# Altium PCB OctopusPB_r0102.PcbDoc (part 9 of 10) (continued)
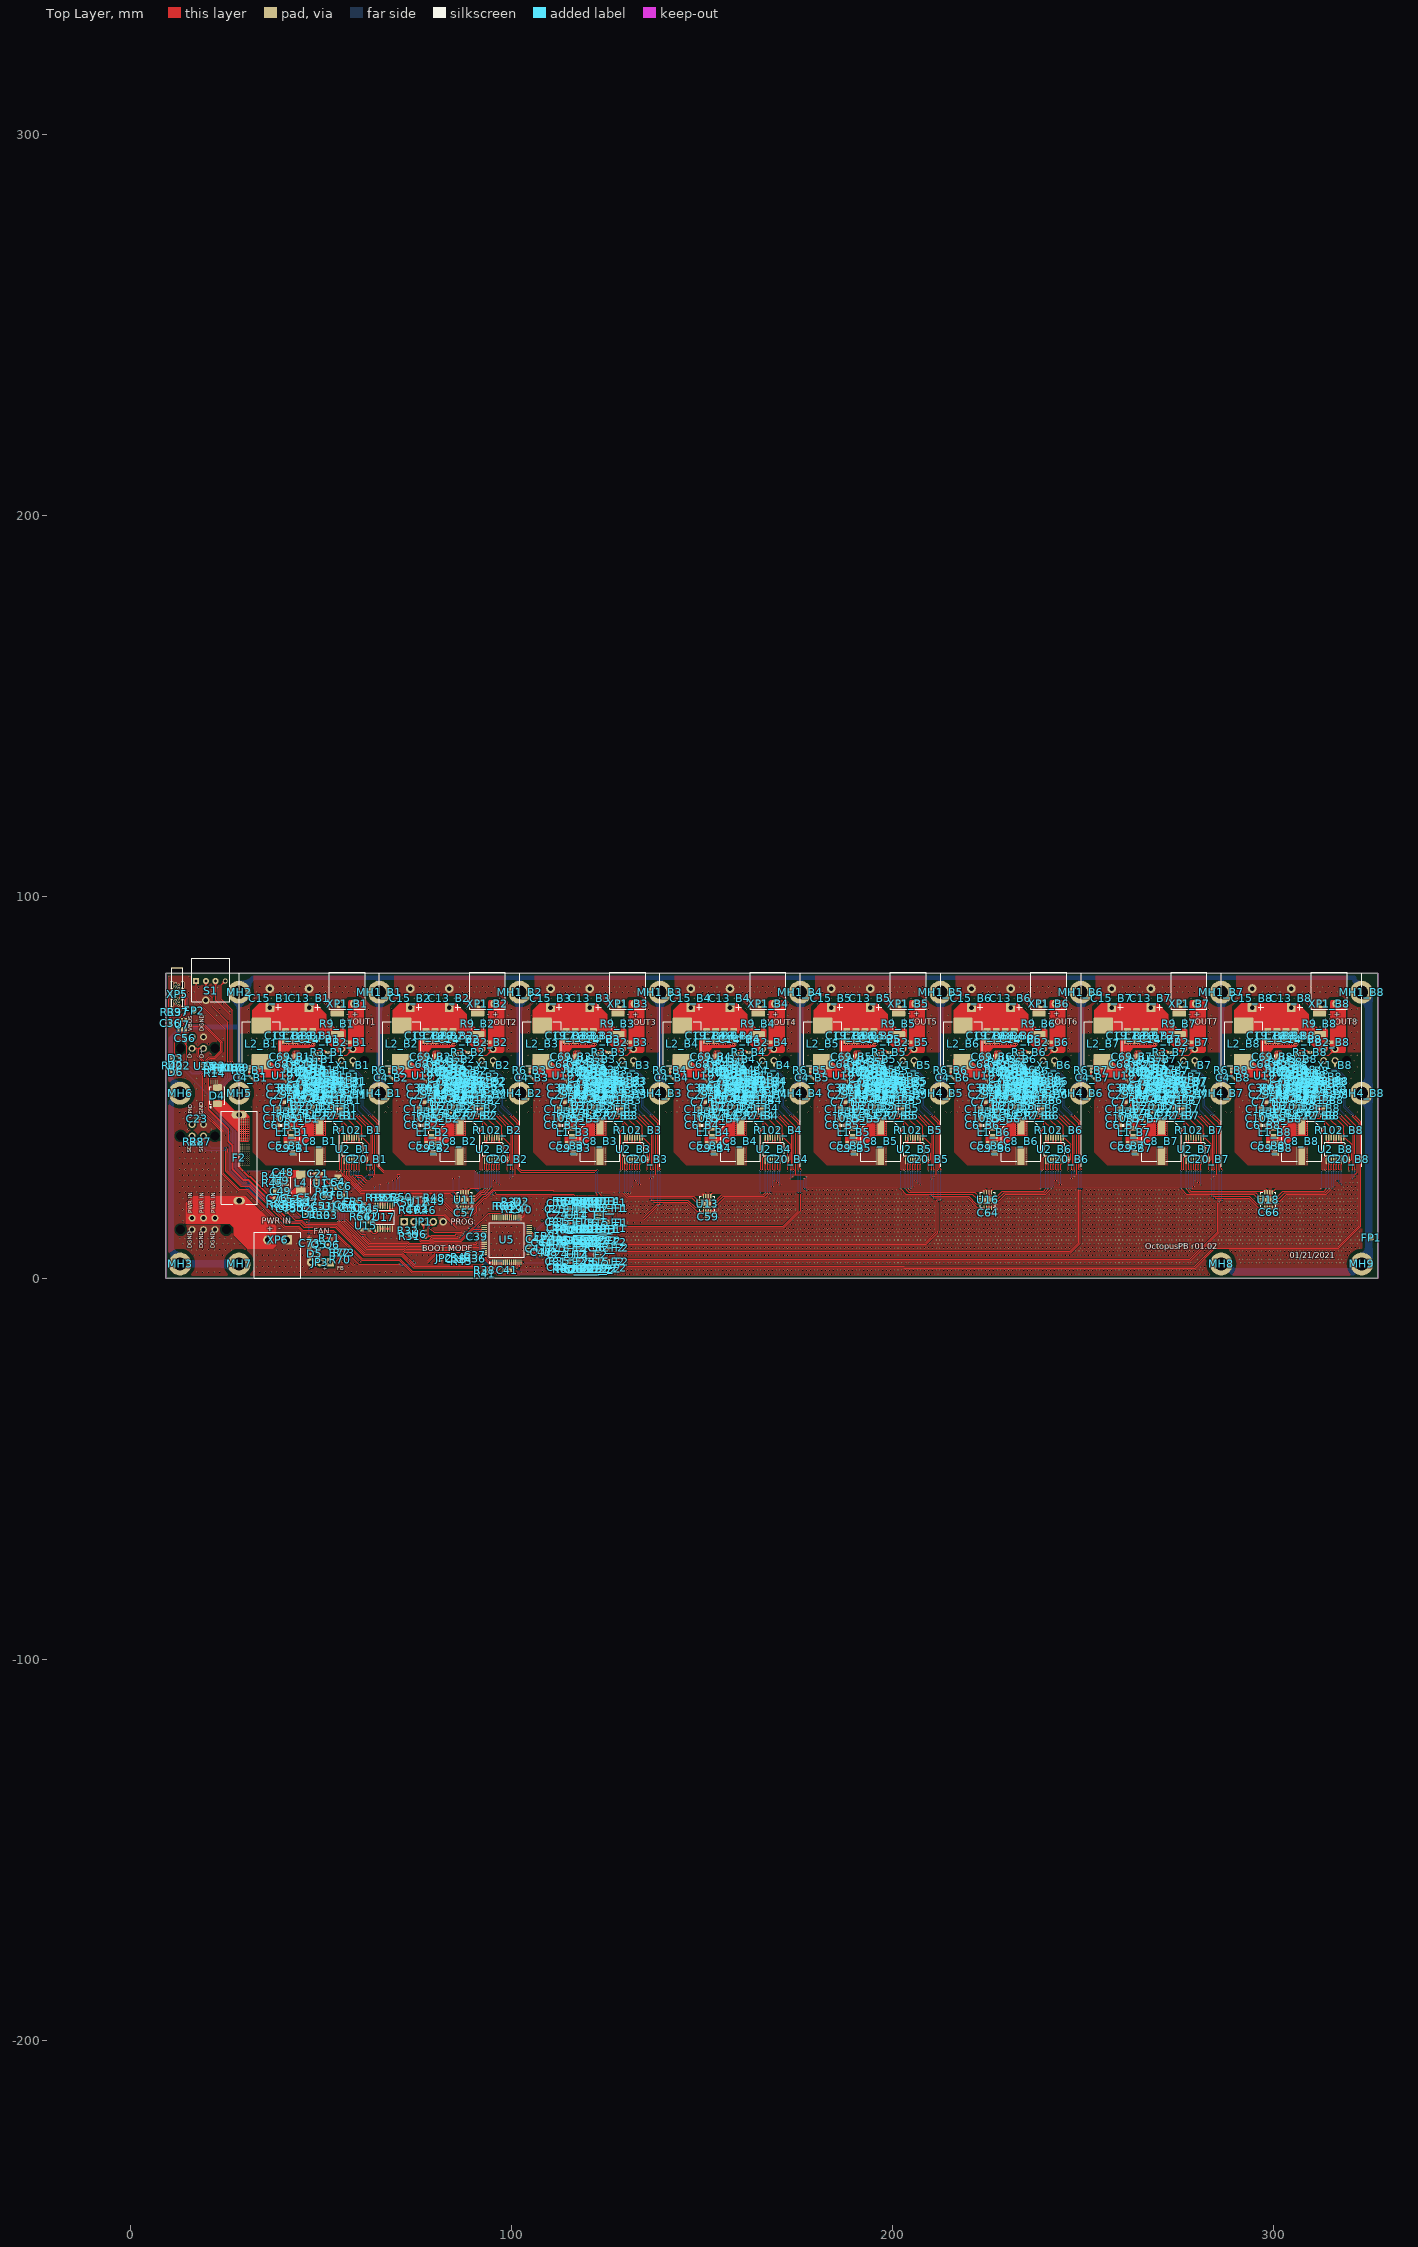
[diagram p0: Top Layer view]
## Nets (pads, with @x,y where several pads share a name; then routed paths per layer and width w, separated by ;. In a path a pad name is that pad's centre, name@x,y a point inside that pad or via, vN(x,y) a via of type N, cw(c..) or ccw(c..) an arc to the next point about the centre after c; other vN are vias at no path point) (continued)
  Bottom Layer w0.2: v1(105.83,11.326) 105.862,11.326 111.862,17.325 122.235,17.325 v1(125.325,20.415)
VOUT_CH3: C81_F1.2 C86_F1.1 R35_F1.1 U5.19 U14_F1.7 | length 19.1
  Top Layer w0.2: U5.19@104.616,7.259 104.635,7.24 105.517,7.24 106.102,6.655 106.355,6.655 106.455,6.555 v1(106.509,6.555) ; v1(114.175,12.575) 114.18,12.58 114.18,14.22 C81_F1.2@114.175,14.225 114.193,14.242 115.133,14.242 R35_F1.1@115.15,14.26 115.305,14.415 116.75,14.415 U14_F1.7@116.825,14.49
  Bottom Layer w0.2: v1(106.509,6.555) 106.509,8.436 106.425,8.521 106.425,10.348 108.652,12.575 v1(114.175,12.575)
VOUT_CH4: C67_F1.2 C79_F1.1 R15_F1.1 U5.18 U14_F1.8 | length 30.8
  Top Layer w0.2: U5.18@104.616,6.759 104.635,6.74 105.451,6.74 106.025,6.166 v1(106.025,6.15) ; U14_F1.8@122.725,14.49 123.4,14.49 123.765,14.125 C67_F1.2@124.425,14.125 124.435,14.115 125.39,14.115 125.395,14.11 125.395,13.095 C79_F1.1@125.39,13.09 125.425,13.055 125.425,12.525 v1(125.4,12.5)
  Bottom Layer w0.2: v1(106.025,6.15) 106.063,6.112 106.245,6.112 106.302,6.055 106.716,6.055 107.009,6.348 107.009,8.502 106.825,8.686 106.825,10.182 108.118,11.476 124.438,11.476 125.231,12.269 125.231,12.277 125.4,12.446 v1(125.4,12.5)
VOUT_CH5: C82_F2.2 C87_F2.1 R56_F2.1 U5.17 U14_F2.14 | length 28.3
  Top Layer w0.2: U5.17@104.616,6.259 105.209,6.259 105.88,5.588 105.962,5.588 v1(106,5.55) ; U14_F2.14@122.775,8.04 124.1,8.04 124.435,8.375 R56_F2.1@124.475,8.375 124.478,8.378 125.448,8.378 C82_F2.2@125.45,8.38 125.415,8.415 C87_F2.1@125.415,9.415 125.415,10.025 v1(125.375,10.065)
  Bottom Layer w0.2: v1(106,5.55) 108.875,5.55 114.376,11.051 124.389,11.051 v1(125.375,10.065)
VOUT_CH6: C25_F2.2 C78_F2.1 R18_F2.1 U5.16 U14_F2.1 | length 18.6
  Top Layer w0.2: U5.16@102.466,4.109 102.466,4.096 102.512,4.05 v1(103.075,4.05) ; v1(114.2,9.85) 114.2,9.255 C78_F2.1@114.185,9.24 114.18,9.235 114.18,8.21 C25_F2.2@114.175,8.205 114.265,8.115 116.8,8.115 U14_F2.1@116.875,8.04
  Bottom Layer w0.2: v1(103.075,4.05) 108.4,4.05 v1(114.2,9.85)
VOUT_CH7: C81_F2.2 C86_F2.1 R35_F2.1 U5.14 U14_F2.7 | length 18.9
  Top Layer w0.2: U5.14@101.491,4.109 101.472,4.09 101.472,3.11 101.529,3.053 101.529,2.396 v1(101.55,2.375) ; v1(114.225,2.225) 114.23,2.23 114.23,3.87 C81_F2.2@114.225,3.875 114.243,3.892 115.183,3.892 R35_F2.1@115.2,3.91 115.355,4.065 116.8,4.065 U14_F2.7@116.875,4.14
  Bottom Layer w0.2: v1(101.55,2.375) 101.604,2.375 101.754,2.225 v1(114.225,2.225)
VOUT_CH8: C67_F2.2 C79_F2.1 R15_F2.1 U5.12 U14_F2.8 | length 32
  Top Layer w0.2: U5.12@100.491,4.109 100.485,4.103 100.485,3.246 100.504,3.227 v1(100.504,2.5) ; U14_F2.8@122.775,4.14 123.45,4.14 123.815,3.775 C67_F2.2@124.475,3.775 124.485,3.765 125.44,3.765 125.445,3.76 125.445,2.745 C79_F2.1@125.44,2.74 125.475,2.705 125.475,2.175 v1(125.45,2.15)
  Layer 2 w0.2: 125.281,1.927 v1@125.45,2.096
  Bottom Layer w0.2: v1@100.504,2.446 101.825,1.125 124.488,1.125 125.281,1.919 ; v1@125.45,2.096 v1(125.45,2.15)
VOUT_SH_BUF1: R1_B1.2 R2_B1.2 R57_F1.2 U3_B1.1 U3_B1.4 | length 104.5
  Top Layer w0.2: R2_B1.2@46.825,56.48 47.929,56.48 U3_B1.4@48.125,56.284 ; v1(49.25,55.225) R1_B1.2@49.25,54.845 ; U3_B1.1@50.025,58.725 50.025,57.85 49.075,56.9 48.65,56.9 48.125,56.375 U3_B1.4@48.125,56.284 ; v1(62.7,42.7) 62.7,42.646 63,42.346 63,42.3 64.725,40.575 64.725,29.359 66.409,27.675 v1(90.975,27.675) ; v1(95.525,22.475) 96.025,21.975 116.175,21.975 116.925,21.225 116.925,20.805 R57_F1.2@117.075,20.655 R57_F1.2@117.26,20.47 ; U3_B1.4@48.125,56.284 U3_B1.4@48.125,56.125 48.125,55.902 48.321,55.706 48.44,55.706 49.08,55.066 49.08,55.015 R1_B1.2@49.25,54.845 ; R1_B1.2@49.25,54.845 49.405,54.69 R1_B1.2@49.405,54.65 49.25,54.805 R1_B1.2@49.25,54.845
  Bottom Layer w0.2: v1(49.25,55.225) 49.725,55.7 51.2,55.7 51.6,55.3 56.725,55.3 57.175,54.85 58.334,54.85 60.616,52.568 60.616,44.784 v1(62.7,42.7) ; v1(90.975,27.675) 90.975,23.318 91.818,22.475 v1(95.525,22.475)
VOUT_SH_BUF2: R1_B2.2 R2_B2.2 R63_F1.2 U3_B2.1 U3_B2.4 | length 73.8
  Top Layer w0.2: R2_B2.2@83.65,56.48 84.754,56.48 U3_B2.4@84.95,56.284 ; v1(86.075,55.225) R1_B2.2@86.075,54.845 ; U3_B2.1@86.85,58.725 86.85,57.85 85.9,56.9 85.475,56.9 84.95,56.375 U3_B2.4@84.95,56.284 ; v1(99.525,42.7) 99.525,42.646 99.825,42.346 99.825,42.3 101.55,40.575 101.55,28.625 102.35,27.825 121.871,27.825 121.996,27.7 v1(122.05,27.7) ; v1(122.05,22.325) 122.55,21.825 R63_F1.2@122.55,20.63 ; U3_B2.4@84.95,56.284 U3_B2.4@84.95,56.125 84.95,55.902 85.146,55.706 85.265,55.706 85.905,55.066 85.905,55.015 R1_B2.2@86.075,54.845 ; R1_B2.2@86.075,54.845 86.075,54.805 R1_B2.2@86.23,54.65 86.23,54.69 R1_B2.2@86.075,54.845
  Top Layer w0.3: R63_F1.2@122.51,20.63 R63_F1.2@122.55,20.63
  Bottom Layer w0.2: v1(86.075,55.225) 86.55,55.7 88.025,55.7 88.425,55.3 93.55,55.3 97.34,51.51 97.34,44.885 v1(99.525,42.7) ; v1(122.05,22.325) v1(122.05,27.7)
VOUT_SH_BUF3: R1_B3.2 R2_B3.2 R62_F1.2 U3_B3.1 U3_B3.4 | length 80.2
  Top Layer w0.2: R2_B3.2@120.475,56.48 121.579,56.48 U3_B3.4@121.775,56.284 ; v1(122.9,55.225) R1_B3.2@122.9,54.845 ; U3_B3.1@123.675,58.725 123.675,57.85 122.725,56.9 122.3,56.9 121.775,56.375 U3_B3.4@121.775,56.284 ; v1(126.481,15.226) 126.605,15.35 134.875,15.35 v1(138.45,18.925) ; v1(136.35,42.7) 136.35,42.646 136.65,42.346 136.65,42.3 138.375,40.575 138.375,28.25 v1(138.425,28.2) ; U3_B3.4@121.775,56.284 U3_B3.4@121.775,56.125 121.775,55.902 121.971,55.706 122.09,55.706 122.73,55.066 122.73,55.015 R1_B3.2@122.9,54.845 ; R1_B3.2@122.9,54.845 122.9,54.805 R1_B3.2@123.055,54.65 123.055,54.69 R1_B3.2@122.9,54.845
  Top Layer w0.3: R62_F1.2@117.025,12.235 117.16,12.37 117.373,12.37 117.504,12.501 v1(117.531,12.501)
  Bottom Layer w0.2: v1(117.531,12.501) 120.33,15.3 126.353,15.3 126.427,15.226 v1(126.481,15.226) ; v1(122.9,55.225) 123.375,55.7 124.85,55.7 125.25,55.3 130.375,55.3 130.825,54.85 131.984,54.85 134.196,52.638 134.196,44.854 v1(136.35,42.7) ; v1(138.425,28.2) 138.425,18.95 v1(138.45,18.925)
VOUT_SH_BUF4: R1_B4.2 R2_B4.2 R19_F1.2 U3_B4.1 U3_B4.4 | length 113.3
  Top Layer w0.2: v1(122.05,12.558) 122.088,12.519 122.088,12.437 122.275,12.25 122.51,12.25 R19_F1.2@122.55,12.29 ; v1(126.4,13.75) 126.5,13.65 171.3,13.65 175.225,17.575 v1(175.225,22.225) ; R2_B4.2@157.3,56.48 158.404,56.48 U3_B4.4@158.6,56.284 ; v1(159.725,55.225) R1_B4.2@159.725,54.845 ; U3_B4.1@160.5,58.725 160.5,57.85 159.55,56.9 159.125,56.9 158.6,56.375 U3_B4.4@158.6,56.284 ; v1(173.175,42.7) 173.175,42.646 173.475,42.346 173.475,42.3 175.2,40.575 v1(175.2,28.2) ; U3_B4.4@158.6,56.284 U3_B4.4@158.6,56.125 158.6,55.902 158.796,55.706 158.915,55.706 159.555,55.066 159.555,55.015 R1_B4.2@159.725,54.845 ; R1_B4.2@159.725,54.845 159.725,54.805 R1_B4.2@159.88,54.65 159.88,54.69 R1_B4.2@159.725,54.845
  Bottom Layer w0.2: v1(122.05,12.558) 123.54,12.558 124.733,13.75 v1(126.4,13.75) ; v1(159.725,55.225) 160.2,55.7 161.675,55.7 162.075,55.3 167.2,55.3 167.65,54.85 168.809,54.85 170.982,52.677 170.982,44.893 v1(173.175,42.7) ; v1(175.2,28.2) 175.2,22.25 v1(175.225,22.225)
VOUT_SH_BUF5: R1_B5.2 R2_B5.2 R63_F2.2 U3_B5.1 U3_B5.4 | length 155.3
  Top Layer w0.2: v1(126.525,8.675) 126.563,8.713 126.963,8.713 127.125,8.875 208.816,8.875 211.875,11.934 211.875,12.25 212.025,12.4 v1(212.025,20.025) ; R2_B5.2@194.125,56.48 195.229,56.48 U3_B5.4@195.425,56.284 ; v1(196.55,55.225) R1_B5.2@196.55,54.845 ; U3_B5.1@197.325,58.725 197.325,57.85 196.375,56.9 195.95,56.9 195.425,56.375 U3_B5.4@195.425,56.284 ; v1(210,42.7) 210,42.646 210.3,42.346 210.3,42.3 212.025,40.575 v1(212.025,28.2) ; U3_B5.4@195.425,56.284 U3_B5.4@195.425,56.125 195.425,55.902 195.621,55.706 195.74,55.706 196.38,55.066 196.38,55.015 R1_B5.2@196.55,54.845 ; R1_B5.2@196.55,54.845 196.55,54.805 R1_B5.2@196.705,54.65 196.705,54.69 R1_B5.2@196.55,54.845
  Top Layer w0.3: v1(122.035,9.947) 122.106,9.947 122.163,10.005 122.285,10.005 122.56,10.28 R63_F2.2@122.6,10.28
  Bottom Layer w0.2: v1(122.035,9.947) 123.307,8.675 v1(126.525,8.675) ; v1(196.55,55.225) 197.025,55.7 198.5,55.7 198.9,55.3 204.025,55.3 204.475,54.85 205.634,54.85 207.814,52.67 207.814,44.886 v1(210,42.7) ; v1@212.025,20.125 v1(212.025,28.2)
VOUT_SH_BUF6: R1_B6.2 R2_B6.2 R57_F2.2 U3_B6.1 U3_B6.4 | length 199.6
  Top Layer w0.2: R57_F2.2@117.125,10.305 117.31,10.12 117.555,10.12 117.675,10 v1(117.675,9.987) ; v1(126.575,7.05) 246.65,7.05 248.875,9.275 v1(248.875,23.225) ; R2_B6.2@230.95,56.48 232.054,56.48 U3_B6.4@232.25,56.284 ; v1(233.375,55.225) R1_B6.2@233.375,54.845 ; U3_B6.1@234.15,58.725 234.15,57.85 233.2,56.9 232.775,56.9 232.25,56.375 U3_B6.4@232.25,56.284 ; v1(246.825,42.7) 246.825,42.646 247.125,42.346 247.125,42.3 248.85,40.575 v1(248.85,28.2) ; U3_B6.4@232.25,56.284 U3_B6.4@232.25,56.125 232.25,55.902 232.446,55.706 232.565,55.706 233.205,55.066 233.205,55.015 R1_B6.2@233.375,54.845 ; R1_B6.2@233.375,54.845 233.53,54.69 R1_B6.2@233.53,54.65 233.375,54.805 R1_B6.2@233.375,54.845
  Bottom Layer w0.2: v1(117.675,9.987) 120.612,7.05 v1(126.575,7.05) ; v1(233.375,55.225) 233.85,55.7 235.325,55.7 235.725,55.3 240.85,55.3 241.3,54.85 242.459,54.85 244.646,52.663 244.646,44.879 v1(246.825,42.7) ; v1@248.85,23.2 248.85,23.225 v1(248.85,28.2)
VOUT_SH_BUF7: R1_B7.2 R2_B7.2 R62_F2.2 U3_B7.1 U3_B7.4 | length 235.6
  Top Layer w0.2: v1(126.506,4.3) 126.544,4.338 126.931,4.338 127.117,4.525 278.2,4.525 285.675,12 v1(285.675,19.975) ; R2_B7.2@267.775,56.48 268.879,56.48 U3_B7.4@269.075,56.284 ; v1(270.2,55.225) R1_B7.2@270.2,54.845 ; U3_B7.1@270.975,58.725 270.975,57.85 270.025,56.9 269.6,56.9 269.075,56.375 U3_B7.4@269.075,56.284 ; v1(283.65,42.7) 283.65,42.646 283.95,42.346 283.95,42.3 285.675,40.575 v1(285.675,28.2) ; U3_B7.4@269.075,56.284 U3_B7.4@269.075,56.125 269.075,55.902 269.271,55.706 269.39,55.706 270.03,55.066 270.03,55.015 R1_B7.2@270.2,54.845 ; R1_B7.2@270.2,54.845 270.2,54.805 R1_B7.2@270.355,54.65 270.355,54.69 R1_B7.2@270.2,54.845
  Top Layer w0.3: R62_F2.2@117.075,1.885 117.21,2.02 117.423,2.02 117.554,2.151 v1(117.581,2.151)
  Bottom Layer w0.2: v1(117.581,2.151) 119.73,4.3 v1(126.506,4.3) ; v1(270.2,55.225) 270.675,55.7 272.15,55.7 272.55,55.3 277.675,55.3 278.125,54.85 279.284,54.85 281.504,52.63 281.504,44.846 v1(283.65,42.7) ; v1@285.675,20 v1(285.675,28.2)
VOUT_SH_BUF8: R1_B8.2 R2_B8.2 R19_F2.2 U3_B8.1 U3_B8.4 | length 267.1
  Top Layer w0.2: v1(122.1,2.208) 122.138,2.169 122.138,2.087 122.325,1.9 122.56,1.9 R19_F2.2@122.6,1.94 ; v1(126.5,3.1) 202.99,3.1 203.065,3.025 279.211,3.025 284.386,8.2 316.975,8.2 322.5,13.725 322.5,40.575 320.775,42.3 320.775,42.346 320.475,42.646 v1(320.475,42.7) ; R2_B8.2@304.6,56.48 305.704,56.48 U3_B8.4@305.9,56.284 ; v1(307.025,55.225) R1_B8.2@307.025,54.845 ; U3_B8.1@307.8,58.725 307.8,57.85 306.85,56.9 306.425,56.9 305.9,56.375 U3_B8.4@305.9,56.284 ; U3_B8.4@305.9,56.284 U3_B8.4@305.9,56.125 305.9,55.902 306.096,55.706 306.215,55.706 306.855,55.066 306.855,55.015 R1_B8.2@307.025,54.845 ; R1_B8.2@307.025,54.845 307.18,54.69 R1_B8.2@307.18,54.65 307.025,54.805 R1_B8.2@307.025,54.845
  Bottom Layer w0.2: v1(122.1,2.208) 123.59,2.208 124.483,3.1 v1(126.5,3.1) ; v1(307.025,55.225) 307.5,55.7 308.975,55.7 309.375,55.3 314.5,55.3 314.95,54.85 316.109,54.85 318.36,52.599 318.36,44.815 v1(320.475,42.7)
VOUT_SHUNT_B1: FB2_B1.2 R3_B1.2 XP1_B1.2 XP2_B1.2 | length 7.5
  Top Layer w0.3: R3_B1.2@52.255,59.225 52.255,59.185 52.39,59.05 52.559,59.05 53.084,58.525 56.725,58.525 58.26,60.06 XP2_B1.2@58.35,60.06 XP2_B1.2@58.35,59.6
VOUT_SHUNT_B2: FB2_B2.2 R3_B2.2 XP1_B2.2 XP2_B2.2 | length 7.5
  Top Layer w0.3: R3_B2.2@89.08,59.225 89.08,59.185 89.215,59.05 89.384,59.05 89.909,58.525 93.55,58.525 95.085,60.06 XP2_B2.2@95.175,60.06 XP2_B2.2@95.175,59.6
VOUT_SHUNT_B3: FB2_B3.2 R3_B3.2 XP1_B3.2 XP2_B3.2 | length 7.5
  Top Layer w0.3: R3_B3.2@125.905,59.225 125.905,59.185 126.04,59.05 126.209,59.05 126.734,58.525 130.375,58.525 131.91,60.06 XP2_B3.2@132,60.06 XP2_B3.2@132,59.6
VOUT_SHUNT_B4: FB2_B4.2 R3_B4.2 XP1_B4.2 XP2_B4.2 | length 7.5
  Top Layer w0.3: R3_B4.2@162.73,59.225 162.73,59.185 162.865,59.05 163.034,59.05 163.559,58.525 167.2,58.525 168.735,60.06 XP2_B4.2@168.825,60.06 XP2_B4.2@168.825,59.6
VOUT_SHUNT_B5: FB2_B5.2 R3_B5.2 XP1_B5.2 XP2_B5.2 | length 7.5
  Top Layer w0.3: R3_B5.2@199.555,59.225 199.555,59.185 199.69,59.05 199.859,59.05 200.384,58.525 204.025,58.525 205.56,60.06 XP2_B5.2@205.65,60.06 XP2_B5.2@205.65,59.6
VOUT_SHUNT_B6: FB2_B6.2 R3_B6.2 XP1_B6.2 XP2_B6.2 | length 7.5
  Top Layer w0.3: R3_B6.2@236.38,59.225 236.38,59.185 236.515,59.05 236.684,59.05 237.209,58.525 240.85,58.525 242.385,60.06 XP2_B6.2@242.475,60.06 XP2_B6.2@242.475,59.6
VOUT_SHUNT_B7: FB2_B7.2 R3_B7.2 XP1_B7.2 XP2_B7.2 | length 7.5
  Top Layer w0.3: R3_B7.2@273.205,59.225 273.205,59.185 273.34,59.05 273.509,59.05 274.034,58.525 277.675,58.525 279.21,60.06 XP2_B7.2@279.3,60.06 XP2_B7.2@279.3,59.6
VOUT_SHUNT_B8: FB2_B8.2 R3_B8.2 XP1_B8.2 XP2_B8.2 | length 7.5
  Top Layer w0.3: R3_B8.2@310.03,59.225 310.03,59.185 310.165,59.05 310.334,59.05 310.859,58.525 314.5,58.525 316.035,60.06 XP2_B8.2@316.125,60.06 XP2_B8.2@316.125,59.6
VREFIO_B1: C34_B1.1 C35_B1.1 U4_B1.8 | length 3.7
  Top Layer w0.2: C34_B1.1@52.438,48.388 C34_B1.1@52.7,48.125 53.05,48.475 53.05,48.61 53.84,49.4 C35_B1.1@53.86,49.4 53.829,49.431 53.829,50.615 U4_B1.8@53.804,50.64 ; U4_B1.8@53.804,50.365 U4_B1.8@53.804,50.625
VREFIO_B2: C34_B2.1 C35_B2.1 U4_B2.8 | length 3.7
  Top Layer w0.2: C34_B2.1@89.263,48.388 C34_B2.1@89.525,48.125 89.875,48.475 89.875,48.61 90.665,49.4 C35_B2.1@90.685,49.4 90.654,49.431 90.654,50.615 U4_B2.8@90.629,50.64 ; U4_B2.8@90.629,50.365 U4_B2.8@90.629,50.625
VREFIO_B3: C34_B3.1 C35_B3.1 U4_B3.8 | length 3.7
  Top Layer w0.2: C34_B3.1@126.088,48.388 C34_B3.1@126.35,48.125 126.7,48.475 126.7,48.61 127.49,49.4 C35_B3.1@127.51,49.4 127.479,49.431 127.479,50.615 U4_B3.8@127.454,50.64 ; U4_B3.8@127.454,50.365 U4_B3.8@127.454,50.625
VREFIO_B4: C34_B4.1 C35_B4.1 U4_B4.8 | length 3.7
  Top Layer w0.2: C34_B4.1@162.913,48.388 C34_B4.1@163.175,48.125 163.525,48.475 163.525,48.61 164.315,49.4 C35_B4.1@164.335,49.4 164.304,49.431 164.304,50.615 U4_B4.8@164.279,50.64 ; U4_B4.8@164.279,50.365 U4_B4.8@164.279,50.625
VREFIO_B5: C34_B5.1 C35_B5.1 U4_B5.8 | length 3.7
  Top Layer w0.2: C34_B5.1@199.738,48.388 C34_B5.1@200,48.125 200.35,48.475 200.35,48.61 201.14,49.4 C35_B5.1@201.16,49.4 201.129,49.431 201.129,50.615 U4_B5.8@201.104,50.64 ; U4_B5.8@201.104,50.365 U4_B5.8@201.104,50.625
VREFIO_B6: C34_B6.1 C35_B6.1 U4_B6.8 | length 3.7
  Top Layer w0.2: C34_B6.1@236.563,48.388 C34_B6.1@236.825,48.125 237.175,48.475 237.175,48.61 237.965,49.4 C35_B6.1@237.985,49.4 237.954,49.431 237.954,50.615 U4_B6.8@237.929,50.64 ; U4_B6.8@237.929,50.365 U4_B6.8@237.929,50.625
VREFIO_B7: C34_B7.1 C35_B7.1 U4_B7.8 | length 3.7
  Top Layer w0.2: C34_B7.1@273.388,48.388 C34_B7.1@273.65,48.125 274,48.475 274,48.61 274.79,49.4 C35_B7.1@274.81,49.4 274.779,49.431 274.779,50.615 U4_B7.8@274.754,50.64 ; U4_B7.8@274.754,50.365 U4_B7.8@274.754,50.625
VREFIO_B8: C34_B8.1 C35_B8.1 U4_B8.8 | length 3.7
  Top Layer w0.2: C34_B8.1@310.213,48.388 C34_B8.1@310.475,48.125 310.825,48.475 310.825,48.61 311.615,49.4 C35_B8.1@311.635,49.4 311.604,49.431 311.604,50.615 U4_B8.8@311.579,50.64 ; U4_B8.8@311.579,50.365 U4_B8.8@311.579,50.625
VUSB_MCU: D1.2 R30.2 U22.B2 U26.A2 | length 65.9
  Top Layer w0.3: U22.B2@12.975,55.775 14,55.775 v1(14.025,55.8) ; U26.A2@47.075,18.125 47.075,17.85 47.825,17.1 47.825,17 48.05,16.775 D1.2@48.2,16.775 48.225,16.75 48.275,16.7 R30.2@49.125,16.7
  Top Layer w0.5: v1(20.4,53.6) 20.4,44.35 25.651,39.099 25.651,35.85 26.801,34.7 26.801,28.599 29.7,25.7 31,25.7 v1(40.625,16.075) ; D1.2@48.2,16.775 48.225,16.775 48.225,16.75 v1(48.225,16.075)
  Bottom Layer w0.5: v1(14.025,55.8) 16.15,53.675 20.175,53.675 ; v1(40.625,16.075) v1(48.225,16.075)
pads on no net: FP1.0 FP2.0 U5.7 U5.10 U5.29 U5.30 U5.31 U5.32 U5.35 U5.36 U5.37 U5.42 U5.43 U5.44 U5.45 U5.46 U5.47 U5.48 U5.49 U5.50 U5.54 U7.4 U7.6 U10.4 U11.11 U13.11 U16.11 U17.15 U18.11 U19_B1.5 U19_B2.5 U19_B3.5 U19_B4.5 U19_B5.5 U19_B6.5 U19_B7.5 U19_B8.5 U20_B1.7 U20_B2.7 U20_B3.7 U20_B4.7 U20_B5.7 U20_B6.7 U20_B7.7 U20_B8.7 XP2_B1.0 XP2_B2.0 XP2_B3.0 XP2_B4.0 XP2_B5.0 XP2_B6.0 XP2_B7.0 XP2_B8.0 XP3.0 XP4.0 XP7.0

## Polygon pours and split planes (outlines as drawn)
DGND on Bottom Layer "DGND-BOT" (solid, remove dead copper, pour order 241): 27.95,80 9.3,80 9.3,0 327.3,0 327.3,28.3 28.35,28.3 28.35,79.6
DGND on Bottom Layer "PGND-BOT" (solid, pour order 258): 98.225,56.2 98.225,58.8 101.825,58.8 101.825,80 65.575,80 65.575,48.6 65.675,48.5 69.325,48.5 69.325,42.45 81.625,42.45 81.625,56.4 84.525,59.3 89.325,59.3 90.725,57.9 90.725,56.2
DGND on Bottom Layer "PGND-BOT" (solid, pour order 255): 208.7,56.2 208.7,58.8 212.3,58.8 212.3,80 176.05,80 176.05,48.6 176.15,48.5 179.8,48.5 179.8,42.45 192.1,42.45 192.1,56.4 195,59.3 199.8,59.3 201.2,57.9 201.2,56.2
DGND on Bottom Layer "PGND-BOT" (solid, pour order 254): 245.525,56.2 245.525,58.8 249.125,58.8 249.125,80 212.875,80 212.875,48.6 212.975,48.5 216.625,48.5 216.625,42.45 228.925,42.45 228.925,56.4 231.825,59.3 236.625,59.3 238.025,57.9 238.025,56.2
DGND on Bottom Layer "PGND-BOT" (solid, pour order 253): 171.875,56.2 171.875,58.8 175.475,58.8 175.475,80 139.225,80 139.225,48.6 139.325,48.5 142.975,48.5 142.975,42.45 155.275,42.45 155.275,56.4 158.175,59.3 162.975,59.3 164.375,57.9 164.375,56.2
DGND on Bottom Layer "PGND-BOT" (solid, pour order 252): 319.175,56.2 319.175,58.8 322.775,58.8 322.775,80 286.525,80 286.525,48.6 286.625,48.5 290.275,48.5 290.275,42.45 302.575,42.45 302.575,56.4 305.475,59.3 310.275,59.3 311.675,57.9 311.675,56.2
DGND on Bottom Layer "PGND-BOT" (solid, pour order 251): 135.05,56.2 135.05,58.8 138.65,58.8 138.65,80 102.4,80 102.4,48.6 102.5,48.5 106.15,48.5 106.15,42.45 118.45,42.45 118.45,56.4 121.35,59.3 126.15,59.3 127.55,57.9 127.55,56.2
DGND on Bottom Layer "PGND-BOT" (solid, pour order 250): 282.35,56.2 282.35,58.8 285.95,58.8 285.95,80 249.7,80 249.7,48.6 249.8,48.5 253.45,48.5 253.45,42.45 265.75,42.45 265.75,56.4 268.65,59.3 273.45,59.3 274.85,57.9 274.85,56.2
20-26VIN_F on Bottom Layer "15-26VIN_F_BOT" (solid, pour order 205): 33.5,42.225 31.325,44.4 26.9,44.4 25.8,43.3 25.8,35.925 28.5,35.925 322.75,35.925 322.75,42.225
DGND on Bottom Layer "PGND-BOT" (solid, pour order 256): 61.4,56.2 61.4,58.8 65,58.8 65,80 28.75,80 28.75,48.6 28.85,48.5 32.5,48.5 32.5,42.45 44.8,42.45 44.8,56.4 47.7,59.3 52.5,59.3 53.9,57.9 53.9,56.2
AGND on Bottom Layer "AGND_BOT" (solid, remove dead copper, pour order 236): 114.6,21.725 125.85,21.725 127.375,20.2 127.375,0.425 126.925,-0.025 102.325,-0.025 102.325,3.875 103.825,3.875 105.875,5.925 105.875,13
DGND on Bottom Layer "PGND_BOT" (solid, pour order 233): 28.5,35.425 322.75,35.425 322.75,29.125 28.5,29.125
3V3 on Layer 2 "3V3-MID2" (solid, remove dead copper, pour order 240): 27.944,77.125 12.275,77.125 12.275,0 323.2,0 323.2,28.3 27.9,28.3 27.9,49.1 27.9,56.8
DGND on Layer 2 "Bottom Layer-PGND" (solid, pour order 231): 155.075,46.3 154.978,46.397 151.487,46.397 151.487,42.412 151.475,42.425 139.591,42.425 139.591,75 142.975,75 142.875,75.1 142.875,80 171.675,80 171.675,74.9 175.375,74.9 175.375,42.45 155.375,42.45 155.375,60 155.075,60
DGND on Layer 2 "Bottom Layer-PGND" (solid, pour order 230): 302.375,46.3 302.278,46.397 298.787,46.397 298.787,42.412 298.775,42.425 286.891,42.425 286.891,75 290.275,75 290.175,75.1 290.175,80 318.975,80 318.975,74.9 322.675,74.9 322.675,42.45 302.675,42.45 302.675,60 302.375,60
DGND on Layer 2 "Bottom Layer-PGND" (solid, pour order 229): 265.55,46.3 265.453,46.397 261.962,46.397 261.962,42.412 261.95,42.425 250.066,42.425 250.066,75 253.45,75 253.35,75.1 253.35,80 282.15,80 282.15,74.9 285.85,74.9 285.85,42.45 265.85,42.45 265.85,60 265.55,60
DGND on Layer 2 "Bottom Layer-PGND" (solid, pour order 228): 228.725,46.3 228.628,46.397 225.137,46.397 225.137,42.412 225.125,42.425 213.241,42.425 213.241,75 216.625,75 216.525,75.1 216.525,80 245.325,80 245.325,74.9 249.025,74.9 249.025,42.45 229.025,42.45 229.025,60 228.725,60
DGND on Layer 2 "Bottom Layer-PGND" (solid, pour order 227): 191.9,46.3 191.803,46.397 188.312,46.397 188.312,42.412 188.3,42.425 176.416,42.425 176.416,75 179.8,75 179.7,75.1 179.7,80 208.5,80 208.5,74.9 212.2,74.9 212.2,42.45 192.2,42.45 192.2,60 191.9,60
DGND on Layer 2 "Bottom Layer-PGND" (solid, pour order 226): 118.25,46.3 118.153,46.397 114.662,46.397 114.662,42.412 114.65,42.425 102.766,42.425 102.766,75 106.15,75 106.05,75.1 106.05,80 134.85,80 134.85,74.9 138.55,74.9 138.55,42.45 118.55,42.45 118.55,60 118.25,60
DGND on Layer 2 "Bottom Layer-PGND" (solid, pour order 225): 81.425,46.3 81.328,46.397 77.837,46.397 77.837,42.412 77.825,42.425 65.941,42.425 65.941,75 69.325,75 69.225,75.1 69.225,80 98.025,80 98.025,74.9 101.725,74.9 101.725,42.45 81.725,42.45 81.725,60 81.425,60
20-26VIN_F on Layer 2 "15-26VIN_F" (solid, pour order 206): 33.875,42.225 31.8,44.3 26.8,44.3 26,43.5 26,41.9 28.5,39.4 28.5,29.125 322.75,29.125 322.75,42.225
3V3A on Layer 2 "3V3A_Mid1" (solid, pour order 237): 114.625,21.75 125.85,21.75 127.375,20.225 127.375,0.45 126.925,0 102.325,0 102.325,4.825 102.925,4.825 104.5,6.4 104.5,11.625
DGND on Layer 2 "Bottom Layer-PGND" (solid, pour order 224): 44.6,46.3 44.503,46.397 41.012,46.397 41.012,42.412 41,42.425 29.116,42.425 29.116,75 32.5,75 32.4,75.1 32.4,80 61.2,80 61.2,74.9 64.9,74.9 64.9,42.45 44.9,42.45 44.9,60 44.6,60
DGND on Top Layer "DGND-TOP" (solid, remove dead copper, pour order 242): 27.725,79.925 9.075,79.925 9.075,-0.075 323.2,-0.075 323.2,28.2 28.775,28.2 28.775,28.925 28.775,47.925 27.675,49.025 27.675,56.725
AGND on Top Layer "AGND_TOP" (solid, pour order 234): 105.1,12.225 110.05,12.225 110.525,11.75 111.375,11.75 111.475,11.65 112.35,12.525 112.35,19.45 113.413,20.538 114.625,21.75 125.85,21.75 127.375,20.225 127.375,0.45 126.925,0 102.325,0 102.325,4.825 102.925,4.825 104.5,6.4 104.5,11.625
DGND on Top Layer "PGND-TOP" (solid, pour order 249): 322.675,75.2 322.475,75 319.075,75 319.075,79.9 318.975,80 292.275,80 290.175,80 290.175,75.6 290.275,75.5 290.175,75.4 286.575,75.4 286.575,64.2 289.026,64.2 289.025,64.275 289.025,71.325 291.825,74.125 306.475,74.125 309.388,71.212 310.01,70.55 310.075,70.55 310.375,70.25 310.375,69.3 313.675,69.3 313.775,69.4 313.775,70.8 313.775,72.875 314.725,73.825 318.15,73.825 319.475,72.5 319.475,59.225 322.675,59.225
DGND on Top Layer "Top Layer-PGND" (solid, pour order 215): 299.225,34.075 298.95,34.35 297.925,34.35 296.925,35.35 296.925,40.675 297.275,41.025 297.275,45.025 297.895,45.025 298.57,45.7 298.55,45.72 298.55,50.65 298.875,50.975 298.875,52.1 298.85,52.125 290.3,52.125 289.8,51.625 289.8,33.05 293.2,29.65 309,29.65 309,34.4 301.85,34.4 301.525,34.075
DGND on Top Layer "PGND-TOP" (solid, pour order 248): 285.85,75.2 285.65,75 282.25,75 282.25,79.9 282.15,80 255.45,80 253.35,80 253.35,75.6 253.45,75.5 253.35,75.4 249.75,75.4 249.75,64.2 252.201,64.2 252.2,64.275 252.2,71.325 255,74.125 269.65,74.125 272.563,71.212 273.185,70.55 273.25,70.55 273.55,70.25 273.55,69.3 276.85,69.3 276.95,69.4 276.95,70.8 276.95,72.875 277.9,73.825 281.325,73.825 282.65,72.5 282.65,59.225 285.85,59.225
DGND on Top Layer "Top Layer-PGND" (solid, pour order 214): 262.4,34.075 262.125,34.35 261.1,34.35 260.1,35.35 260.1,40.675 260.45,41.025 260.45,45.025 261.07,45.025 261.745,45.7 261.725,45.72 261.725,50.65 262.05,50.975 262.05,52.1 262.025,52.125 253.475,52.125 252.975,51.625 252.975,33.05 256.375,29.65 272.175,29.65 272.175,34.4 265.025,34.4 264.7,34.075
DGND on Top Layer "PGND-TOP" (solid, pour order 247): 249.025,75.2 248.825,75 245.425,75 245.425,79.9 245.325,80 218.625,80 216.525,80 216.525,75.6 216.625,75.5 216.525,75.4 212.925,75.4 212.925,64.2 215.376,64.2 215.375,64.275 215.375,71.325 218.175,74.125 232.825,74.125 235.738,71.212 236.36,70.55 236.425,70.55 236.725,70.25 236.725,69.3 240.025,69.3 240.125,69.4 240.125,70.8 240.125,72.875 241.075,73.825 244.5,73.825 245.825,72.5 245.825,59.225 249.025,59.225
DGND on Top Layer "Top Layer-PGND" (solid, pour order 213): 225.575,34.075 225.3,34.35 224.275,34.35 223.275,35.35 223.275,40.675 223.625,41.025 223.625,45.025 224.245,45.025 224.92,45.7 224.9,45.72 224.9,50.65 225.225,50.975 225.225,52.1 225.2,52.125 216.65,52.125 216.15,51.625 216.15,33.05 219.55,29.65 235.35,29.65 235.35,34.4 228.2,34.4 227.875,34.075
DGND on Top Layer "PGND-TOP" (solid, pour order 246): 175.375,75.2 175.175,75 171.775,75 171.775,79.9 171.675,80 144.975,80 142.875,80 142.875,75.6 142.975,75.5 142.875,75.4 139.275,75.4 139.275,64.2 141.726,64.2 141.725,64.275 141.725,71.325 144.525,74.125 159.175,74.125 162.088,71.212 162.71,70.55 162.775,70.55 163.075,70.25 163.075,69.3 166.375,69.3 166.475,69.4 166.475,70.8 166.475,72.875 167.425,73.825 170.85,73.825 172.175,72.5 172.175,59.225 175.375,59.225
DGND on Top Layer "Top Layer-PGND" (solid, pour order 212): 151.925,34.075 151.65,34.35 150.625,34.35 149.625,35.35 149.625,40.675 149.975,41.025 149.975,45.025 150.595,45.025 151.27,45.7 151.25,45.72 151.25,50.65 151.575,50.975 151.575,52.1 151.55,52.125 143,52.125 142.5,51.625 142.5,33.05 145.9,29.65 161.7,29.65 161.7,34.4 154.55,34.4 154.225,34.075
DGND on Top Layer "PGND-TOP" (solid, pour order 245): 212.2,75.2 212,75 208.6,75 208.6,79.9 208.5,80 181.8,80 179.7,80 179.7,75.6 179.8,75.5 179.7,75.4 176.1,75.4 176.1,64.2 178.551,64.2 178.55,64.275 178.55,71.325 181.35,74.125 196,74.125 198.913,71.212 199.535,70.55 199.6,70.55 199.9,70.25 199.9,69.3 203.2,69.3 203.3,69.4 203.3,70.8 203.3,72.875 204.25,73.825 207.675,73.825 209,72.5 209,59.225 212.2,59.225
DGND on Top Layer "Top Layer-PGND" (solid, pour order 211): 188.75,34.075 188.475,34.35 187.45,34.35 186.45,35.35 186.45,40.675 186.8,41.025 186.8,45.025 187.42,45.025 188.095,45.7 188.075,45.72 188.075,50.65 188.4,50.975 188.4,52.1 188.375,52.125 179.825,52.125 179.325,51.625 179.325,33.05 182.725,29.65 198.525,29.65 198.525,34.4 191.375,34.4 191.05,34.075
DGND on Top Layer "PGND-TOP" (solid, pour order 244): 138.55,75.2 138.35,75 134.95,75 134.95,79.9 134.85,80 108.15,80 106.05,80 106.05,75.6 106.15,75.5 106.05,75.4 102.45,75.4 102.45,64.2 104.901,64.2 104.9,64.275 104.9,71.325 107.7,74.125 122.35,74.125 125.263,71.212 125.885,70.55 125.95,70.55 126.25,70.25 126.25,69.3 129.55,69.3 129.65,69.4 129.65,70.8 129.65,72.875 130.6,73.825 134.025,73.825 135.35,72.5 135.35,59.225 138.55,59.225
DGND on Top Layer "Top Layer-PGND" (solid, pour order 210): 115.1,34.075 114.825,34.35 113.8,34.35 112.8,35.35 112.8,40.675 113.15,41.025 113.15,45.025 113.77,45.025 114.445,45.7 114.425,45.72 114.425,50.65 114.75,50.975 114.75,52.1 114.725,52.125 106.175,52.125 105.675,51.625 105.675,33.05 109.075,29.65 124.875,29.65 124.875,34.4 117.725,34.4 117.4,34.075
DGND on Top Layer "PGND-TOP" (solid, pour order 262): 101.725,75.175 101.525,74.975 98.125,74.975 98.125,79.875 98.025,79.975 71.325,79.975 69.225,79.975 69.225,75.575 69.325,75.475 69.225,75.375 65.3,75.375 65.3,64.175 68.076,64.175 68.075,64.25 68.075,71.3 70.875,74.1 85.525,74.1 88.437,71.187 89.06,70.525 89.125,70.525 89.425,70.225 89.425,69.275 92.725,69.275 92.825,69.375 92.825,70.775 92.825,72.85 93.775,73.8 97.2,73.8 98.525,72.475 98.525,59.2 101.725,59.2
DGND on Top Layer "Top Layer-PGND" (solid, pour order 209): 78.275,34.075 78,34.35 76.975,34.35 75.975,35.35 75.975,40.675 76.325,41.025 76.325,45.025 76.945,45.025 77.62,45.7 77.6,45.72 77.6,50.65 77.925,50.975 77.925,52.1 77.9,52.125 69.35,52.125 68.85,51.625 68.85,33.05 72.25,29.65 88.05,29.65 88.05,34.4 80.9,34.4 80.575,34.075
DGND on Top Layer "Top Layer-PGND" (solid, pour order 208): 41.45,34.075 41.175,34.35 40.15,34.35 39.15,35.35 39.15,40.675 39.5,41.025 39.5,45.025 40.12,45.025 40.795,45.7 40.775,45.72 40.775,50.65 41.1,50.975 41.1,52.1 41.075,52.125 32.525,52.125 32.025,51.625 32.025,33.05 35.425,29.65 51.225,29.65 51.225,34.4 44.075,34.4 43.75,34.075